# KiCad board amulet_controller.kicad_pcb (continued)
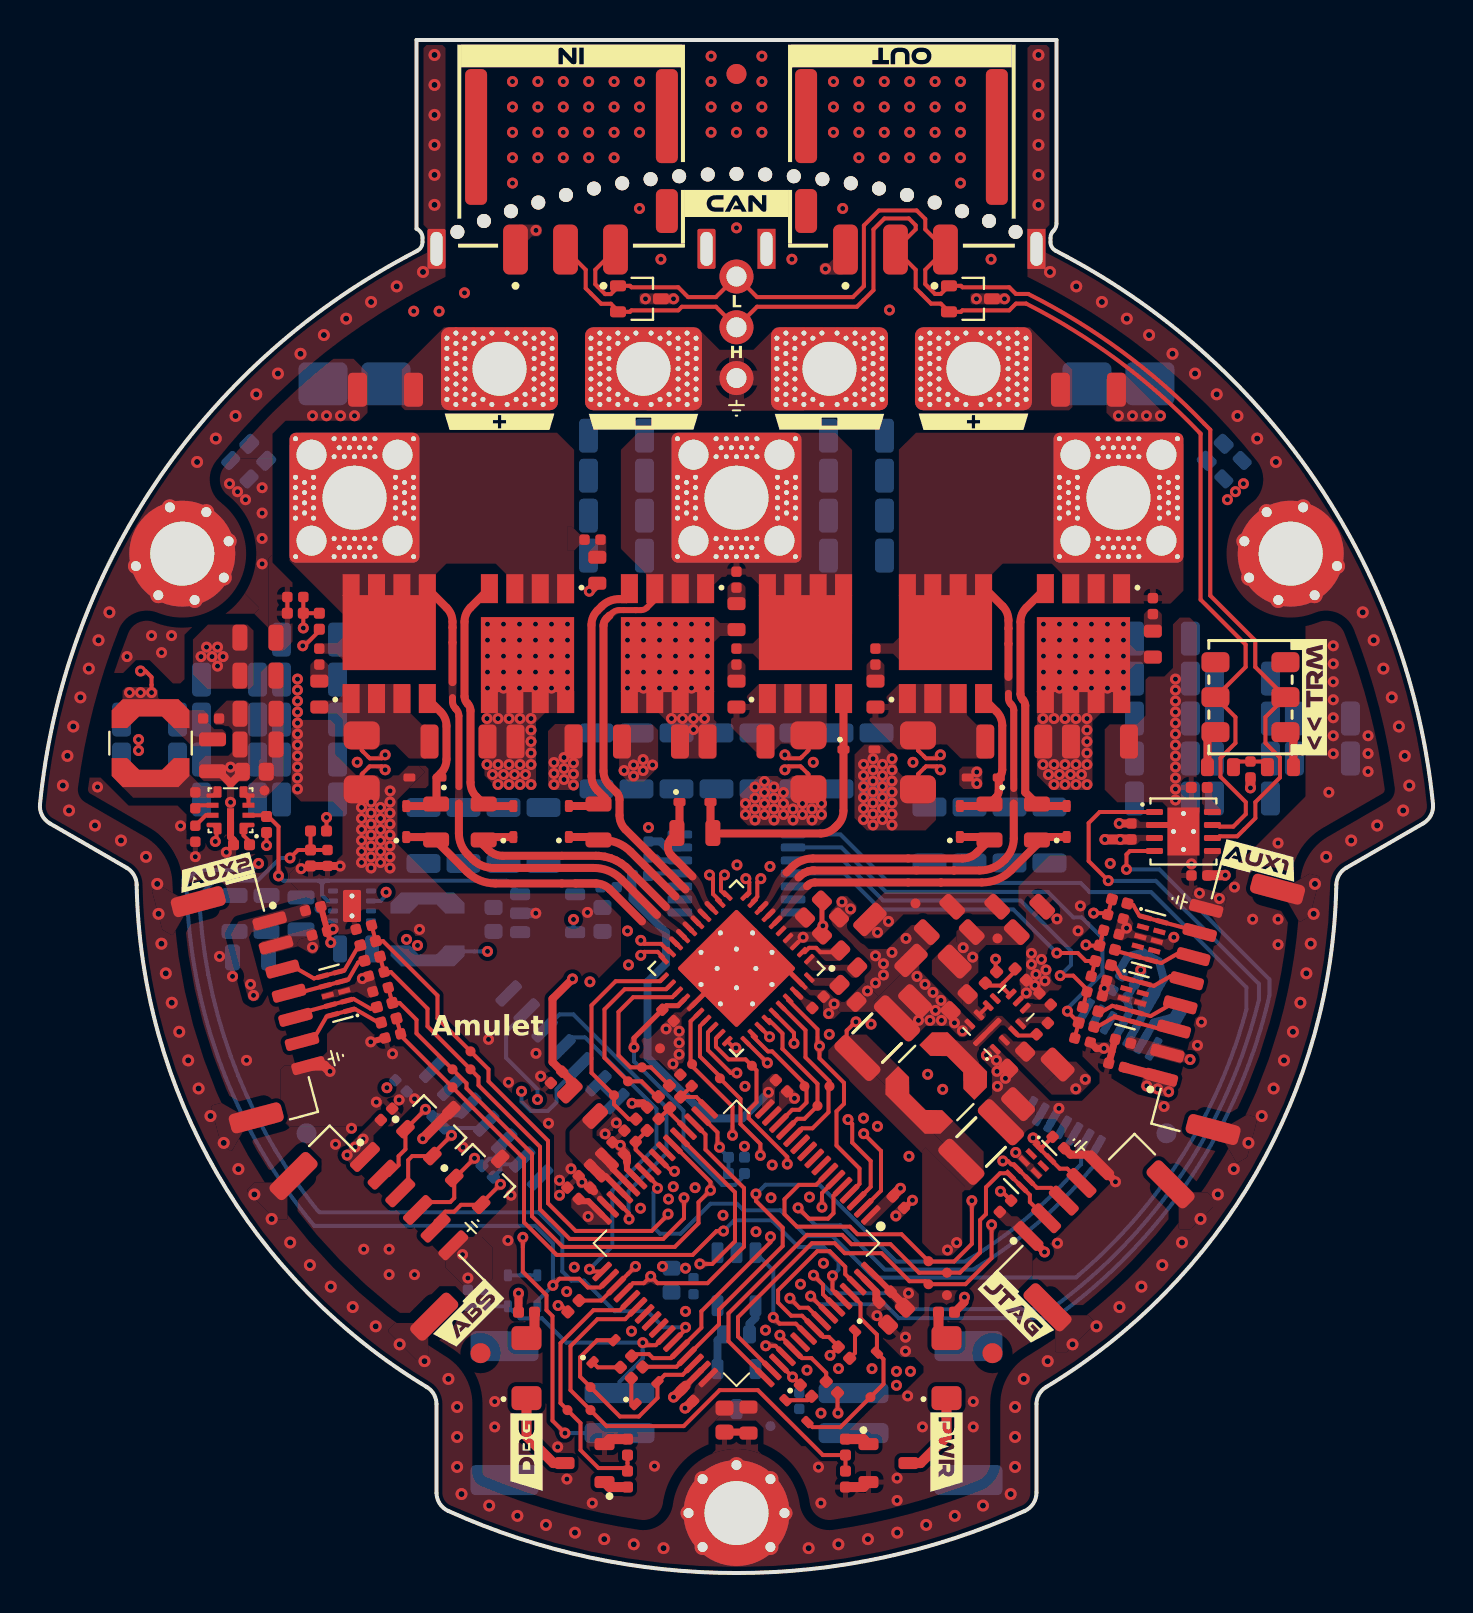
[diagram p0: board, top side]
## Routing (per net, layer and track width the routed paths; a pad name or vN(x,y) marks a point on that pad's centre or on a via; arc(x,y) is an arc through that point) (continued)
/Project Architecture/Interface - Interconnects/AUX2_B: length 65.9
  L1 (Sig, PWR) w0.2: v1(32.2,18.78) 32.2,17.75 31.17,16.71 26.49,16.71 25,18.2 25,21.33 21.93,24.4 21.93,24.8 TP25.1 19.38,27.35 19.38,28.23 17.55,30.07 C121.1 R41.2 ; v1(36.53,16.83) 36.53,16.55 33.07,13.09 33.07,12.27 32,11.2 U1.44 31.55,10.75 30.65,10.75 30.45,10.95 29.68,10.95 R45.2 ; 40.08,19.28 39.68,18.88 39.68,18 39.41,17.73 38.45,17.73 v1(37.91,18.27)
  L4 (Sig, PWR) w0.2: v1(32.2,18.78) 32.2,18.27 34.02,16.45 36.15,16.45 v1(36.53,16.83) 36.53,16.85 37.91,18.23 v1(37.91,18.27)
  L6 (Sig, PWR) w0.2: U8.1 52.76,21.22 52.76,20.42 52.54,20.2 arc(49.83,17.46) 46.71,15.21 46.68,15.19 42.24,15.19 40.03,17.4 38.78,17.4 v1(37.91,18.27)
/Project Architecture/Interface - Interconnects/AUX2_B_K: length 1.5
  L1 (Sig, PWR) w0.2: R45.1 27.89,10.29 D20.1
/Project Architecture/Interface - Interconnects/AUX2_C: length 65.4
  L1 (Sig, PWR) w0.2: 31.7,21.4 33.53,19.57 v1(33.53,19.15) 32.93,18.55 32.93,17.5 31.74,16.31 26.14,16.31 24.6,17.85 24.6,20.98 21.33,24.25 21.33,24.5 TP26.1 18.83,27 18.83,27.68 17.98,28.52 R42.2 C119.1 ; U1.45 31.83,10.32 30.15,10.32 R47.2 ; 32.41,10.9 33.95,12.44 33.95,13.18 37.14,16.36 37.14,17.28 35.8,18.61 v1(35.8,18.96)
  L4 (Sig, PWR) w0.2: v1(35.8,18.96) 33.71,18.96 v1(33.53,19.15)
  L6 (Sig, PWR) w0.2: U8.2 52.06,21.41 52.06,20.45 51.88,20.27 arc(49.27,17.71) 46.28,15.6 46.27,15.59 42.82,15.59 38.98,19.43 36.28,19.43 35.82,18.96 v1(35.8,18.96)
/Project Architecture/Interface - Interconnects/AUX2_C_K: length 1.4
  L1 (Sig, PWR) w0.2: R47.1 29.57,8.49 29.69,8.36
/Project Architecture/Interface - Interconnects/AUX2_D: length 33.1
  L1 (Sig, PWR) w0.2: v1(39.63,14.87) 39.63,14.17 40.08,13.72 ; C117.1 18.03,26.89 TP27.1 24.2,20.73 24.2,17.55 25.84,15.91 32.63,15.91 33.83,17.11 v1(34.18,17.11) ; C117.1 18.03,26.84 ; C117.1 R43.2
  L6 (Sig, PWR) w0.2: v1(39.63,14.87) 39.93,15.17 39.93,15.58 39.19,16.31 37.93,16.31 36.59,17.65 34.72,17.65 v1(34.18,17.11)
/Project Architecture/Interface - Interconnects/AUX2_I2C_PULLUP: length 11.2
  L1 (Sig, PWR) w0.2: 32.76,10.54 32.13,9.92 31.25,9.92 D22.2 30.88,8.76 29.95,7.83 29,7.83 TP28.1 27.01,9.82 27.01,10.8 27.86,11.65 D20.2
/Project Architecture/Interface - Interconnects/AUX2P_A: length 4.9
  L1 (Sig, PWR) w0.2: 14.79,30.04 D17.6 13.7,29.75 12.62,30.37 12.14,30.24 ; 16,31.4 R40.1 15.93,31.38 15.22,30.16 D17.5 15.14,30.14
/Project Architecture/Interface - Interconnects/AUX2P_B: length 4.4
  L1 (Sig, PWR) w0.2: R41.1 15.91,30.55 15.42,29.69 D17.4 D17.7 12.62,28.94 12.46,29.03
/Project Architecture/Interface - Interconnects/AUX2P_C: length 4.4
  L1 (Sig, PWR) w0.2: 12.79,27.82 12.88,27.97 D17.9 D17.2 15.68,28.72 16.53,28.23 R42.1
/Project Architecture/Interface - Interconnects/AUX2P_D: length 5
  L1 (Sig, PWR) w0.2: D17.1 D17.10 14.33,27.85 13.72,26.78 13.11,26.61 ; D17.1 15.74,28.22 16.97,27.52 R43.1 ; D17.1 15.64,28.2 ; 17.01,27.53 17.06,27.54
/Project Architecture/Interface - Interconnects/CAN_TERM_B: length 1.9
  L1 (Sig, PWR) w0.4: SW1.4 58.38,41.67 R51.2
/Project Architecture/Interface - Interconnects/CAN_TERM_MID: length 1.9
  L1 (Sig, PWR) w0.2: R50.2 61.1,40.6 C129.1 59.96,40.6 R51.1
/Project Architecture/Interface - Interconnects/CAN_TERM_T: length 1.9
  L1 (Sig, PWR) w0.4: SW1.1 62.68,41.67 R50.1
/Project Architecture/Interface - Interconnects/NRST: length 29.4
  L1 (Sig, PWR) w0.2: C128.1 50.13,21.32 D26.1 ; J14.4 51.37,20.23 50.99,20.23 49.92,21.3 D26.1 ; D26.1 49.92,21.51 v1(49.66,21.77) ; 44.43,15.65 44.49,15.59 ; U1.7 38.81,19.42 37.95,19.42 37.23,18.7 37.23,17.95 37.85,17.33 40.5,17.33 40.88,16.95 43.08,16.95 TP16.1 44.44,15.59 45.71,15.59 46.6,16.47 v1(46.6,18.63)
  L3 (Sig, PWR) w0.2: v1(49.66,21.77) 49.66,18.23 48.28,16.85 47.33,16.85 46.88,17.3 46.88,18.35 v1(46.6,18.63)
/Project Architecture/Interface - Interconnects/NTC_MOT_H: length 2
  L6 (Sig, PWR) w0.2: NT13.2 J8.1
/Project Architecture/Interface - Interconnects/NTC_MOT_L: length 2.2
  L6 (Sig, PWR) w0.2: NT14.2 28.98,9.57 J8.2
/Project Architecture/Interface - Interconnects/POS_SENSOR_CS: length 69.6
  L1 (Sig, PWR) w0.2: U1.26 30.88,19.39 v1(30.88,19.25)
  L6 (Sig, PWR) w0.2: v1(30.88,19.25) 30.68,19.05 30.68,17.3 31,16.98 32.03,16.98 33.53,18.48 34.85,18.48 35.18,18.15 37.03,18.15 38.32,16.86 39.62,16.86 41.69,14.79 51.81,14.79 51.93,14.9 arc(57.14,20.91) 60.32,28.19 60.32,29.3 55.56,34.07 52.49,34.07 52.03,34.53 42.45,34.53 40.03,36.95 U7.1
/Project Architecture/Interface - Interconnects/RS422_D+: length 6.8
  L1 (Sig, PWR) w0.2: J10.5 19.78,17.6 20.27,18.08 20.71,18.08 21.05,18.42 D23.2 22.06,18.48 v1(23.03,19.45)
  L6 (Sig, PWR) w0.2: v1(23.03,19.45) R49.2 23.02,20.16 23.02,20.39 23.08,20.45 23.87,20.45 U9.9
/Project Architecture/Interface - Interconnects/RS422_D-: length 6.8
  L1 (Sig, PWR) w0.2: v1(21.73,20.75) 20.74,19.77 D23.1 20.71,18.76 20.51,18.56 19.3,18.56 J10.4
  L6 (Sig, PWR) w0.2: U9.10 23.21,21.26 22.68,20.73 22.45,20.73 R49.1 v1(21.73,20.75)
/Project Architecture/Interface - Interconnects/RS422_R+: length 6.9
  L1 (Sig, PWR) w0.2: J10.2 17.46,19.93 17.93,20.4 17.93,20.86 18.27,21.2 D27.1 18.28,22.2 v1(19.28,23.2)
  L6 (Sig, PWR) w0.2: v1(19.28,23.2) R48.1 19.71,22.9 20.93,22.9 U9.12
/Project Architecture/Interface - Interconnects/RS422_R-: length 7.2
  L1 (Sig, PWR) w0.2: J10.3 18.41,19.44 18.41,20.66 18.61,20.86 D27.2 19.62,20.94 v1(20.58,21.9)
  L6 (Sig, PWR) w0.2: v1(20.58,21.9) R48.2 22.09,22.27 U9.11
/Project Architecture/Interface - Interconnects/SWCLK: length 28.4
  L1 (Sig, PWR) w0.2: v1(48.15,20.62) 48.4,20.62 48.57,20.44 48.68,20.44 D26.4 D26.7 49.85,19.27 50.56,19.27 J14.3 ; v1(47.58,17.42) 47.58,15.76 46.28,14.45 TP15.1 44.28,14.6 43.48,14.6 42.08,16 40.24,16 39.74,16.5 38.6,16.5 34.9,12.81 34.9,11.83 36.54,10.19
  L3 (Sig, PWR) w0.2: v1(48.15,20.62) 48.21,20.62 48.73,20.1 48.73,18.94 47.58,17.79 v1(47.58,17.42)
/Project Architecture/Interface - Interconnects/SWDIO: length 27.1
  L1 (Sig, PWR) w0.2: 36.19,9.84 34.43,11.6 34.43,12.99 38.36,16.92 40.11,16.92 40.58,16.45 42.53,16.45 43.95,15.03 TP14.1 46,15.03 47.01,16.03 47.01,17.66 47.3,17.96 47.3,19.3 48,20 48.41,20 D26.5 49.5,18.92 49.5,18.56 J14.2
/Project Architecture/Interface - RS-422/RS422_DE: length 16.5
  L1 (Sig, PWR) w0.2: U1.33 27.59,15.09 v1(27.48,15.2)
  L6 (Sig, PWR) w0.2: v1(27.48,15.2) 28.62,16.34 28.62,19.14 30.83,21.35 30.83,23.22 27.25,26.8 26.63,26.8 U9.4
/Project Architecture/Interface - RS-422/RS422_~{RE}: length 15.9
  L1 (Sig, PWR) w0.2: v1(29.46,17.71) 29.46,17.98 U1.30
  L6 (Sig, PWR) w0.2: U9.3 25.98,27.95 26.67,27.95 31.33,23.29 31.33,21 29.43,19.1 29.43,17.74
/Project Architecture/MCU - IOs/BOARD_VERSION: length 3.4
  L1 (Sig, PWR) w0.2: v1(33.98,21.3) 33.88,21.4 33.88,22.05 U1.18
  L6 (Sig, PWR) w0.2: v1(33.98,21.3) 33.98,21.25 R20.1 R19.2
/Project Architecture/MCU - IOs/DRV_CS: length 9.1
  L1 (Sig, PWR) w0.2: v1(34.8,26.27) 34.71,26.27 U6.30 ; v1(31.73,20.1) 31.58,20.1 U1.24
  L4 (Sig, PWR) w0.2: v1(31.73,20.1) 33.8,22.18 33.8,25.28 v1(34.8,26.27)
/Project Architecture/MCU - IOs/DRV_MISO: length 30.2
  L1 (Sig, PWR) w0.2: U6.27 33,27.36 33,25.84 34,24.85 TP5.1 35.03,23.72 35.03,22.46 36.02,21.47 v1(36.02,20.89) ; v1(37,11.9) 37.66,11.24 U1.53 38.1,10.75 38.58,10.75 39.32,10.01 R9.2
  L4 (Sig, PWR) w0.2: v1(37,11.9) 37,11.26 36.53,10.79 35.98,10.79 35,11.78 35,12.92 38.66,16.57 39.56,16.57 40.45,17.46 40.45,18.44 39.06,19.83 36.39,19.83 36.02,20.19 v1(36.02,20.89)
/Project Architecture/MCU - IOs/DRV_MOSI: length 15.2
  L1 (Sig, PWR) w0.2: v1(34.85,25.02) 34.54,25.02 33.4,26.16 33.4,27.06 U6.28 ; v1(41.19,21.98) 42.05,21.12 42.05,19.13 U1.2
  L4 (Sig, PWR) w0.2: v1(34.85,25.02) 34.93,24.94 37.35,24.94 38.3,23.99 38.3,23.98 40.3,21.98 v1(41.19,21.98)
/Project Architecture/MCU - IOs/DRV_SCLK: length 25
  L1 (Sig, PWR) w0.2: v1(36.29,11.37) 36.78,11.37 U1.52 ; v1(37.37,20.46) 37.37,20.82 35.44,22.74 35.44,23.16 35.83,23.55 35.83,25.15 TP4.1 35.28,25.7 34.43,25.7 33.8,26.33 33.8,26.75 U6.29
  L4 (Sig, PWR) w0.2: v1(36.29,11.37) 36.08,11.58 35.93,11.58 35.48,12.03 35.48,12.83 38.78,16.13 39.86,16.13 40.93,17.2 40.93,18.6 39.07,20.46 v1(37.37,20.46)
/Project Architecture/MCU - IOs/FAN_CTRL: length 5.6
  L1 (Sig, PWR) w0.2: 38.31,11.96 37.79,12.47 36.98,12.47 v1(36.67,12.79)
  L6 (Sig, PWR) w0.2: v1(36.67,12.79) 36.67,15.14 U11.3
/Project Architecture/MCU - IOs/FILTER_SOA: length 2.4
  L1 (Sig, PWR) w0.2: C12.1 R1.1 32.81,23.82 U1.17
/Project Architecture/MCU - IOs/FILTER_SOB: length 2.3
  L1 (Sig, PWR) w0.2: 32.41,22.1 31.49,23.02 R2.1 C13.1
/Project Architecture/MCU - IOs/FILTER_SOC: length 2.3
  L1 (Sig, PWR) w0.2: U1.25 29.79,21.19 C14.1 R3.1
/Project Architecture/MCU - IOs/LED_DBG: length 14.2
  L1 (Sig, PWR) w0.2: R22.1 29.38,5.35 ; R22.1 29.23,5.25 27.93,5.25 27.03,6.15 27.03,7.5 TP31.1 26.03,8.5 26.03,11.5 27.68,13.15 29,13.15 U1.37 ; R22.1 R21.1 29.38,5.65
/Project Architecture/MCU - IOs/LED_PWR: length 23.8
  L1 (Sig, PWR) w0.2: R24.1 R25.1 39.15,5.9 35.9,9.15 33.99,9.15 32.19,7.35 28.33,7.35 TP32.1 26.53,9.15 26.53,11.35 27.88,12.7 29.26,12.7 U1.38
/Project Architecture/MCU - IOs/MOTOR_ENABLE: length 11.6
  L1 (Sig, PWR) w0.2: v1(36.37,25.52) 36.37,25.52 35.31,26.58 ; 40.79,18.57 41.54,19.32 41.54,20.62 40.61,21.54 40.61,22.48 v1(40.4,22.69)
  L4 (Sig, PWR) w0.2: v1(40.4,22.69) 40.39,22.69 37.52,25.56 36.41,25.56 v1(36.37,25.52)
/Project Architecture/MCU - IOs/MOTOR_FAULT: length 30.4
  L1 (Sig, PWR) w0.2: R8.2 28.07,13.63 U1.35 29.42,14.98 v1(29.78,15.34) ; v1(34.63,21.9) 34.63,23.34 32.61,25.36 TP3.1 32.53,25.54 32.53,27.6 U6.26
  L4 (Sig, PWR) w0.2: v1(29.78,15.34) 30.64,16.2 33.07,16.2 33.75,15.53 36.94,15.53 38.42,17 39.28,17 39.98,17.7 39.98,18.3 38.89,19.39 36.19,19.39 34.63,20.95 v1(34.63,21.9)
/Project Architecture/MCU - IOs/MOTOR_HIZ: length 17.1
  L1 (Sig, PWR) w0.2: v1(37.7,26.5) 37.7,27.02 36.73,28 ; U6.37 37.41,28.67 38.88,27.2 38.88,26.46 v1(38.98,26.36) 38.98,25.75 40.2,24.53 40.2,23.48 39.83,23.1 39.83,21.39 40.98,20.24 40.98,19.47 40.43,18.92 ; v1(36.48,26.83) 36.02,27.29
  L4 (Sig, PWR) w0.2: v1(36.48,26.83) 36.65,26.66 37.54,26.66 v1(37.7,26.5) 38.84,26.5 v1(38.98,26.36)
/Project Architecture/MCU - IOs/PWM_PHASEA: length 6.5
  L1 (Sig, PWR) w0.2: U1.14 37.61,23.18 37.97,23.18 38.33,23.54 38.33,24.25 TP8.1 38.23,24.48 36.61,26.1 36.4,26.1 35.64,26.86 U6.32 ; 38.3,24.41 38.3,24.35
/Project Architecture/MCU - IOs/PWM_PHASEB: length 7.5
  L1 (Sig, PWR) w0.2: U1.13 37.87,22.73 38.23,22.73 TP9.1 38.88,24.48 37.13,26.23 37.13,26.23 37.13,27 36.45,27.67 U6.34
/Project Architecture/MCU - IOs/PWM_PHASEC: length 8.6
  L1 (Sig, PWR) w0.2: U6.36 38.28,27.15 38.28,25.8 39.48,24.6 TP10.1 39.43,24.3 39.43,23.05 38.63,22.25 38.1,22.25 U1.12
/Project Architecture/MCU - IOs/SENSE_TEMP_FET: length 57.1
  L1 (Sig, PWR) w0.2: U1.34 28.02,14.29 27.39,14.29 26.96,14.73 25.98,14.73 v1(25.65,14.39) ; TH1.2 R27.1 ; R27.1 v1(13.17,47.28) ; R27.1 C101.1
  L3 (Sig, PWR) w0.2: v1(13.17,47.28) 12.05,46.17 12.05,36.15 11.4,35.5 v1(10.93,35.5)
  L6 (Sig, PWR) w0.2: D14.2 24.87,13.61 v1(25.65,14.39) 25.65,16.48 24.76,17.37 13.72,17.37 13.68,17.41 arc(9.06,25.39) 7.33,34.45 7.33,34.63 7.88,35.18 10.6,35.18 v1(10.93,35.5)
/Project Architecture/MCU - IOs/SENSE_TEMP_MOT: length 11.4
  L1 (Sig, PWR) w0.2: v1(30.14,11.52) 30.2,11.52 30.33,11.4 30.79,11.4 31.35,11.96
  L6 (Sig, PWR) w0.2: R28.1 C102.1 ; 22.27,13.35 D15.2 24,12.74 25.11,12.74 26.32,11.52 v1(30.14,11.52) 30.14,11.52 NT14.1
/Project Architecture/MCU - IOs/SENSE_VBAT: length 48.2
  L1 (Sig, PWR) w0.2: R30.1 12.9,36.18 v1(12.5,35.78) ; R30.1 C103.1 ; R30.1 R29.2 ; v1(32.28,12.29) 32.28,12.18 31.7,11.6
  L6 (Sig, PWR) w0.2: v1(32.28,12.29) 31.17,12.29 30.37,13.1 28.73,13.1 27.2,14.63 26.57,14.63 26.12,15.09 26.12,16.86 24.93,18.05 13.97,18.05 13.88,18.15 13.55,18.56 12.92,19.4 12.33,20.26 11.78,21.15 11.25,22.06 10.77,22.99 10.32,23.93 9.91,24.9 9.53,25.88 9.2,26.87 8.9,27.87 8.64,28.89 8.42,29.91 8.24,30.95 8.11,31.98 8.01,33.03 7.98,33.55 7.98,33.9 8.73,34.65 10.89,34.65 12.01,35.78 v1(12.5,35.78)
/Project Architecture/MCU - IOs/SOA: length 8.7
  L1 (Sig, PWR) w0.2: U6.23 31.62,28.81 29.66,28.81 28.93,28.08 28.93,25.9 29.53,25.3 TP11.1 30.55,25.3 R1.2
/Project Architecture/MCU - IOs/SOB: length 9.7
  L1 (Sig, PWR) w0.2: U6.22 31.31,29.21 29.24,29.21 28.23,28.2 28.23,25.78 TP12.1 30.08,24.6 30.85,23.83 R2.2
/Project Architecture/MCU - IOs/SOC: length 11
  L1 (Sig, PWR) w0.2: U6.21 31.01,29.61 28.79,29.61 27.58,28.4 27.58,25.03 TP13.1 28.7,23.45 29.44,22.71 R3.2
/Project Architecture/MCU - Power/F_A3V3: length 4.7
  L1 (Sig, PWR) w0.3: 29.22,18.92 28.3,19.85 C10.1 ; 29.58,19.28 28.64,20.22 C11.1
  L1 (Sig, PWR) w0.5: C10.1 C6.1 ; C11.1 C7.1
/Project Architecture/Motor Control - Top Level/CPH: length 2.1
  L1 (Sig, PWR) w0.2: U6.2 38.24,31.06 38.46,31.28 38.81,31.28 39.03,31.06 39.92,31.06 C91.1
/Project Architecture/Motor Control - Top Level/GHA: length 14.4
  L1 (Sig, PWR) w0.25: 36.73,32.5 37,32.78
  L1 (Sig, PWR) w0.4: D4.1 50,36.83 R10.2 49.85,36.45 48.55,35.15 arc(47.89,34.71) 47.1,34.55 45.05,34.55 45.05,34.55 38.75,34.55 arc(38.56,34.51) 38.39,34.4 38.35,34.36
/Project Architecture/Motor Control - Top Level/GHB: length 6.9
  L1 (Sig, PWR) w0.25: 32.65,32.78 32.92,32.5 32.93,32.5
  L1 (Sig, PWR) w0.4: 31.78,33.85 29.54,36.09 arc(28.89,36.52) 28.12,36.68 R13.1 27.78,36.83 D7.1
/Project Architecture/Motor Control - Top Level/GHC: length 12.5
  L1 (Sig, PWR) w0.25: 32.25,32.48 32.57,32.15 32.57,32.15
  L1 (Sig, PWR) w0.4: 31.3,33.33 29.41,35.22 29.3,35.32 29.07,35.5 28.81,35.65 28.53,35.77 28.24,35.84 27.95,35.88 27.8,35.88 23.13,35.88 arc(22.75,35.96) 22.42,36.18 22.19,36.41 R16.1 22.33,36.82 D10.1
/Project Architecture/Motor Control - Top Level/GLA: length 12.7
  L1 (Sig, PWR) w0.25: 36.02,33.21 36.02,33.22 36.3,33.5
  L1 (Sig, PWR) w0.4: 37.33,35.05 37.6,35.32 arc(38.08,35.64) 38.64,35.75 46.14,35.75 arc(46.52,35.83) 46.85,36.04 R11.1 47.33,36.83 D5.1
/Project Architecture/Motor Control - Top Level/GLB: length 4.8
  L1 (Sig, PWR) w0.25: 33.63,33.22 33.35,33.5
  L1 (Sig, PWR) w0.4: 32.63,34.85 31.55,35.93 arc(31.44,36.09) 31.4,36.28 31.4,36.37 arc(31.44,36.56) 31.55,36.73 R14.1 31.98,37.16 D8.1
/Project Architecture/Motor Control - Top Level/GLC: length 15.2
  L1 (Sig, PWR) w0.25: 31.87,31.44 31.86,31.44 31.58,31.73
  L1 (Sig, PWR) w0.4: D11.1 19.66,36.82 R17.1 19.81,36.63 21.35,35.09 arc(22,34.65) 22.77,34.5 26.78,34.5 ; 19.61,36.82 19.81,36.62 ; 26.78,34.5 27.79,34.5 arc(28.17,34.42) 28.5,34.21 30.1,32.6 ; 26.78,34.5 27.83,34.5
/Project Architecture/Motor Control - Top Level/Motor Control - Inverter/FET_GHA: length 13.1
  L1 (Sig, PWR) w0.4: D4.2 49.95,38.38 R10.1 49.27,39.06 49.27,43.4 arc(49.24,43.56) 49.15,43.69 49.14,43.69 arc(49.06,43.82) 49.03,43.98 49.03,47.59 arc(49.1,47.97) 49.32,48.3 Q1.4
/Project Architecture/Motor Control - Top Level/Motor Control - Inverter/FET_GHB: length 13.9
  L1 (Sig, PWR) w0.4: Q3.4 29.47,48.87 29.33,48.73 28.95,48.73 arc(28.49,48.63) 28.1,48.37 27.87,48.15 arc(27.65,47.82) 27.58,47.44 27.58,39.87 arc(27.65,39.49) 27.87,39.16 28.24,38.79 R13.2 27.83,38.38 D7.2
/Project Architecture/Motor Control - Top Level/Motor Control - Inverter/FET_GHC: length 13.1
  L1 (Sig, PWR) w0.4: Q5.4 21.52,48.3 arc(21.3,47.97) 21.23,47.59 21.23,43.86 arc(21.27,43.67) 21.37,43.5 21.38,43.5 arc(21.49,43.33) 21.53,43.14 21.53,39.55 arc(21.6,39.17) 21.82,38.84 R16.2 22.29,38.37 D10.2
/Project Architecture/Motor Control - Top Level/Motor Control - Inverter/FET_GLA: length 7.4
  L1 (Sig, PWR) w0.4: Q2.4 47.82,43.11 arc(48.04,42.78) 48.12,42.4 48.12,40.18 arc(48.08,39.99) 47.97,39.83 D3.1 47.94,39.15 arc(47.9,38.96) 47.8,38.79 R11.2 47.38,38.38 D5.2
/Project Architecture/Motor Control - Top Level/Motor Control - Inverter/FET_GLB: length 13.9
  L1 (Sig, PWR) w0.4: 40.18,43.74 D6.1 40.18,38.14 arc(40.1,37.76) 39.88,37.43 39.75,37.29 arc(39.42,37.08) 39.04,37 34.1,37 ; D8.2 33.53,37.15 R14.2
/Project Architecture/Motor Control - Top Level/Motor Control - Inverter/FET_GLC: length 7.4
  L1 (Sig, PWR) w0.4: 19.76,38.37 19.83,38.44 ; Q6.4 20.03,43.08 arc(20.25,42.76) 20.33,42.38 20.33,40.71 arc(20.25,40.33) 20.03,40.01 19.83,39.8 19.83,38.5 R17.2 19.7,38.37 D11.2
/Project Architecture/Motor Control - Top Level/Motor Control - Inverter/PHA: length 2.5
  L1 (Sig, PWR) w0.4: 47.18,49.33 48.13,48.37 arc(48.35,48.05) 48.43,47.67 NT4.2
/Project Architecture/Motor Control - Top Level/Motor Control - Inverter/PHB: length 1.7
  L1 (Sig, PWR) w0.3: Q3.3 30.74,48.69 30.35,48.3 arc(30.21,48.21) 30.05,48.17 NT7.2
/Project Architecture/Motor Control - Top Level/Motor Control - Inverter/PHC: length 2.5
  L1 (Sig, PWR) w0.4: NT10.2 20.63,47.59 arc(20.55,47.97) 20.33,48.29 19.37,49.26 19.37,49.33
/Project Architecture/Motor Control - Top Level/Motor Control - Inverter/SRC_LS_A: length 0.8
  L1 (Sig, PWR) w0.2: R12.2 43.9,41.16 NT5.1
/Project Architecture/Motor Control - Top Level/Motor Control - Inverter/SRC_LS_B: length 0.8
  L1 (Sig, PWR) w0.2: 38.43,41.93 38.43,41.18 ; 38.43,41.16 NT8.2
/Project Architecture/Motor Control - Top Level/Motor Control - Inverter/SRC_LS_C: length 0.8
  L1 (Sig, PWR) w0.2: NT11.2 16.09,41.16 R18.2
/Project Architecture/Motor Control - Top Level/SA_N: length 17.2
  L1 (Sig, PWR) w0.2: v1(45.03,40.19) 44.85,40.36 44.3,40.36 NT6.1 ; v1(35.29,34.74) 35.47,34.56 35.47,34 35.36,33.89 U6.10
  L3 (Sig, PWR) w0.2: v1(45.03,40.19) 45.2,40.36 45.45,40.36 45.74,40.07 45.74,39.69 44.7,38.65 44.7,37.21 44.08,36.6 36.14,36.6 35.47,35.92 35.47,34.91 v1(35.29,34.74)
/Project Architecture/Motor Control - Top Level/SA_P: length 18.2
  L1 (Sig, PWR) w0.2: v1(36.04,34.74) 35.87,34.56 35.87,33.84 35.64,33.61 U6.9 ; NT5.2 44.3,40.76 44.85,40.76 v1(45.03,40.94)
  L3 (Sig, PWR) w0.2: v1(36.04,34.74) 35.87,34.91 35.87,35.76 36.31,36.2 44.25,36.2 45.1,37.05 45.1,38.48 46.14,39.53 46.14,40.23 45.61,40.76 45.2,40.76 v1(45.03,40.94)
/Project Architecture/Motor Control - Top Level/SB_N: length 11.5
  L1 (Sig, PWR) w0.2: NT9.1 38.03,40.36 37.42,40.36 v1(37.25,40.19) ; 34.34,33.92 34.27,33.92 34.05,34.14 34.05,34.75 v1(34.23,34.93)
  L3 (Sig, PWR) w0.2: v1(37.25,40.19) 37.07,40.36 35.24,40.36 33.93,39.05 33.25,39.05 32.98,38.78 32.98,36.46 34.05,35.39 34.05,35.1 v1(34.23,34.93)
/Project Architecture/Motor Control - Top Level/SB_P: length 12.5
  L1 (Sig, PWR) w0.2: 33.99,33.56 33.99,33.64 33.65,33.97 33.65,34.75 v1(33.48,34.93) ; NT8.1 38.03,40.76 37.42,40.76 v1(37.25,40.94)
  L3 (Sig, PWR) w0.2: v1(37.25,40.94) 37.07,40.76 35.07,40.76 33.76,39.45 33.08,39.45 32.58,38.94 32.58,36.3 33.65,35.22 33.65,35.1 v1(33.48,34.93)
/Project Architecture/Motor Control - Top Level/SC_N: length 21.9
  L1 (Sig, PWR) w0.2: NT12.1 16.49,40.36 17.09,40.36 v1(17.26,40.19) ; 31.16,30.74 31.16,30.81 30.89,31.08 30.22,31.08 v1(30.04,30.9)
  L3 (Sig, PWR) w0.2: v1(17.26,40.19) 17.44,40.36 17.86,40.36 18.18,40.04 18.18,35.23 20.93,32.48 23.75,32.48 25.16,31.08 29.87,31.08 v1(30.04,30.9)
/Project Architecture/Motor Control - Top Level/SC_P: length 22.2
  L1 (Sig, PWR) w0.2: v1(30.04,31.65) 30.22,31.48 31.05,31.48 31.44,31.09 31.51,31.09 ; NT11.1 16.49,40.76 17.09,40.76 v1(17.26,40.94)
  L3 (Sig, PWR) w0.2: v1(17.26,40.94) 17.44,40.76 18.02,40.76 18.58,40.2 18.58,35.4 21.1,32.88 23.92,32.88 25.32,31.48 29.87,31.48 v1(30.04,31.65)
/Project Architecture/Motor Control - Top Level/SHA: length 20.4
  L1 (Sig, PWR) w0.25: 36.39,32.86 36.65,33.13
  L1 (Sig, PWR) w0.35: 48.69,39.25 48.69,43.17 arc(48.66,43.32) 48.58,43.45 48.54,43.48 arc(48.46,43.61) 48.43,43.76 48.43,44.01
  L1 (Sig, PWR) w0.4: 37.93,34.8 37.97,34.84 38.05,34.92 38.22,35.03 38.41,35.11 38.61,35.15 38.71,35.15 45.7,35.15 45.7,35.15 46.99,35.15 arc(47.65,35.28) 48.21,35.66 48.26,35.71 arc(48.58,36.19) 48.69,36.76 48.69,38.5 ; NT4.1 48.43,44.83
/Project Architecture/Motor Control - Top Level/SHB: length 16.4
  L1 (Sig, PWR) w0.25: 33.27,32.86 33,33.13
  L1 (Sig, PWR) w0.3: NT7.1 28.96,48.18 arc(28.77,48.14) 28.61,48.03 28.61,48.03
  L1 (Sig, PWR) w0.35: 28.48,47.9 28.47,47.9
  L1 (Sig, PWR) w0.4: 28.47,47.9 28.32,47.75 arc(28.22,47.59) 28.18,47.39 28.18,40.12 arc(28.25,39.74) 28.47,39.41 28.83,39.05 arc(28.94,38.89) 28.98,38.7 28.98,37.91 arc(29.05,37.53) 29.27,37.2 32.28,34.2
/Project Architecture/Motor Control - Top Level/SHC: length 20.2
  L1 (Sig, PWR) w0.25: 31.93,32.1 32.22,31.81 32.22,31.8
  L1 (Sig, PWR) w0.35: 20.63,43.8 20.63,43.61 arc(20.67,43.42) 20.77,43.26 20.8,43.23 arc(20.91,43.07) 20.95,42.87 20.95,39.34
  L1 (Sig, PWR) w0.4: 30.85,32.93 29.07,34.71 arc(28.44,35.13) 27.7,35.28 22.68,35.28 arc(22.11,35.39) 21.62,35.71 21.39,35.95 arc(21.06,36.44) 20.95,37.01 20.95,38.5 ; NT10.1 20.63,44.57
/Project Architecture/Power - Generation/BOOT_5V: length 0.9
  L1 (Sig, PWR) w0.2: C27.2 7.92,38.41 U2.6
/Project Architecture/Power - Generation/F_VIN_5V: length 0.6
  L1 (Sig, PWR) w0.2: U2.4 10.43,38.76 U2.3
/Project Architecture/Power - Generation/F_VIN_12V: length 0.7
  L1 (Sig, PWR) w0.2: 50.81,25.64 50.81,25.63 ; U3.10 U3.9
  vias: v1(46.16,31.29) v1(46.64,30.81) v1(51.79,24.22) v1(52.27,24.7)
/Project Architecture/Power - Generation/FB_5V: length 14.7
  L1 (Sig, PWR) w0.2: NT1.2 5.27,45.13 v1(5.03,45.13) ; v1(8.77,36.6) 8.83,36.66 U2.8
  L4 (Sig, PWR) w0.2: v1(8.77,36.6) 6.84,36.6 2.83,40.61 2.83,40.78 arc(3.25,42.76) 3.79,44.71 4.22,45.13 v1(5.03,45.13)
/Project Architecture/Power - Generation/FB_12V: length 10.8
  L1 (Sig, PWR) w0.2: v1(40.8,27.58) 40.78,27.58 NT2.1 ; v1(47.78,30.71) 47.78,30.03
  L3 (Sig, PWR) w0.2: v1(40.8,27.58) 40.8,27.64 45.41,32.24 46.83,32.24 47.78,31.28 v1(47.78,30.71)
/Project Architecture/Power - Generation/FB_DIV_12V: length 3.3
  L1 (Sig, PWR) w0.2: 48.76,30.02 R6.1 48.76,30.11 48.16,29.52 ; 48.04,29.39 48.16,29.52 ; 48.04,29.39 47.39,29.39 R5.2 ; 48.04,29.39 48.23,29.2 ; 48.16,29.52 48.16,29.27 48.23,29.2 ; U3.7 48.46,28.97 48.23,29.2 ; 47.22,29.46 47.29,29.4
/Project Architecture/Power - Generation/MODE_5V: length 1
  L1 (Sig, PWR) w0.2: U2.1 10.18,36.9 10.48,36.6 R4.1
/Project Architecture/Power - Generation/PG_5V: length 18.7
  L1 (Sig, PWR) w0.2: U2.2 11.27,37.91 R7.1 11.42,37.85 11.93,37.34 v1(11.93,34.88)
  L6 (Sig, PWR) w0.2: 14.1,34.38 14.1,34.54 ; 14.1,34.38 14.1,34.49 ; 14.1,34.38 14.1,33.91 14.39,33.63 U4.3 ; 14.43,34.64 13.95,34.64 ; 14.43,34.64 23.34,34.64 U5.3 ; 14.43,34.64 14.25,34.64 14.1,34.49 ; 14.1,34.49 13.95,34.64 ; v1(11.93,34.88) 12.17,34.64 13.95,34.64
/Project Architecture/Power - Generation/SW_12V: length 1.3
  L1 (Sig, PWR) w0.2: C28.1 49.77,26.89 48.91,26.89 U3.3
/Project Architecture/Power - Generation/VOS_3V3: length 7.6
  L4 (Sig, PWR) w0.2: v1(22.38,31.1) 20.89,31.1 17.93,34.06 v1(17.31,34.06)
  L6 (Sig, PWR) w0.2: U4.6 17.03,33.63 17.31,33.91 v1(17.31,34.06) ; v1(22.38,31.1) NT3.1
/Project Architecture/Sensing - Position/COMM_VDD: length 1.6
  L6 (Sig, PWR) w0.2: U7.11 30.53,35 R31.2
/Project Architecture/Sensing - Position/DIS_VDD3V: length 7.1
  L6 (Sig, PWR) w0.4: R32.2 54,30.19 54.38,30.84 55.16,31.05 55.96,30.59 56.2,29.7 55.61,28.69 C106.1 55.5,28.5 U8.12
/Project Architecture/User - LED Indicators/DBG_G: length 1.3
  L1 (Sig, PWR) w0.5: R22.2 28.48,4.3 Q7.1
/Project Architecture/User - LED Indicators/LED_DBG_A: length 1.5
  L1 (Sig, PWR) w0.5: R23.1 24.73,12.15 D12.2
/Project Architecture/User - LED Indicators/LED_DBG_K: length 4.4
  L1 (Sig, PWR) w0.5: D12.1 24.33,6.84 25.67,5.5 Q7.3
/Project Architecture/User - LED Indicators/LED_PWR_A: length 1.5
  L1 (Sig, PWR) w0.5: R26.2 44.93,12.15 D13.2
/Project Architecture/User - LED Indicators/LED_PWR_K: length 4.4
  L1 (Sig, PWR) w0.5: D13.1 45.33,6.8 44.03,5.5 Q8.3
/Project Architecture/User - LED Indicators/PWR_G: length 1.3
  L1 (Sig, PWR) w0.5: R25.2 41.18,6.7 Q8.1
CHASSIS: length 1.2
  L1 (Sig, PWR) w0.35: R52.1 35.38,7.05 C130.1
  vias: v1(30.28,63.75) v1(31.68,63.75) v1(46.83,63.75) v1(48.23,63.75) v2(1.14,39.4) v2(1.37,40.88) v2(1.45,38.15) v2(1.66,42.35) v2(2.02,43.81) v2(2.44,45.25) v2(2.75,37.4) v2(2.93,46.67) v2(3.47,48.07) v2(4.05,36.65) v2(5.3,35.83) v2(5.86,34.48) v2(5.93,32.98) v2(6.07,31.49) v2(6.29,30) v2(6.59,28.53) v2(6.96,27.08) v2(7.41,25.65) v2(7.86,55.59) v2(7.93,24.24) v2(8.52,22.86) v2(8.79,56.76) v2(9.19,21.52) v2(9.78,57.89) v2(9.92,20.21) v2(10.72,18.94) v2(10.82,58.97) v2(11.58,17.72) v2(11.9,60.01) v2(12.51,16.54) v2(13.03,61) v2(13.5,15.41) v2(14.2,61.94) v2(14.54,14.33) v2(15.31,62.76) v2(15.64,13.31) v2(16.56,63.59) v2(16.79,12.34) v2(17.84,64.37) v2(17.98,11.44) v2(19.15,65.09) v2(19.23,10.6) v2(19.73,75.95) v2(19.73,74.45) v2(19.73,72.95) v2(19.73,71.45) v2(19.73,69.95) v2(19.73,68.45) v2(20.42,9.71) v2(20.86,8.31) v2(20.86,6.81) v2(20.86,5.31) v2(21.08,3.95) v2(22.46,3.37) v2(23.87,2.86) v2(25.3,2.41) v2(26.75,2.02) v2(28.21,1.7) v2(29.69,1.44) v2(31.18,1.24) v2(38.44,1.24) v2(39.92,1.44) v2(41.4,1.7) v2(42.87,2.02) v2(44.31,2.41) v2(45.74,2.86) v2(47.15,3.37) v2(48.54,3.95) v2(48.76,8.31) v2(48.76,6.81) v2(48.76,5.31) v2(49.19,9.71) v2(49.93,75.95) v2(49.93,74.45) v2(49.93,72.95) v2(49.93,71.45) v2(49.93,69.95) v2(49.93,68.45) v2(50.39,10.6) v2(50.5,65.09) v2(51.63,11.44) v2(51.82,64.37) v2(52.83,12.34) v2(53.1,63.59) v2(53.98,13.31) v2(54.35,62.76) v2(55.08,14.33) v2(55.46,61.94) v2(56.12,15.41) v2(56.63,61) v2(57.11,16.54) v2(57.76,60.01) v2(58.03,17.72) v2(58.84,58.97) v2(58.9,18.94) v2(59.69,20.21) v2(59.88,57.89) v2(60.43,21.52) v2(60.86,56.76) v2(61.09,22.86) v2(61.68,24.24) v2(61.8,55.59) v2(62.21,25.65) v2(62.65,27.08) v2(63.03,28.53) v2(63.32,30) v2(63.54,31.49) v2(63.75,34.48) v2(63.69,32.98) v2(64.32,35.83) v2(65.57,36.65) v2(66.14,48.07) v2(66.69,46.67) v2(66.87,37.4) v2(67.17,45.25) v2(67.6,43.81) v2(67.95,42.35) v2(68.16,38.15) v2(68.24,40.88) v2(68.47,39.4)